# Altium PCB GE21_M1_pku_f100.PcbDoc (part 18 of 19)
Units mm, origin at the board's own origin, x right, y up, seen from the top; angles counter-clockwise.
Board outline 423.9 x 668.59 mm, 8 copper layers (Top Layer, Signal 1, DGNG1, POWER, AGND, DGND2, Signal 2, Bottom Layer), stack 1.03 mm thick; 171 components, 336 nets, 2040 pads, 4872 vias.
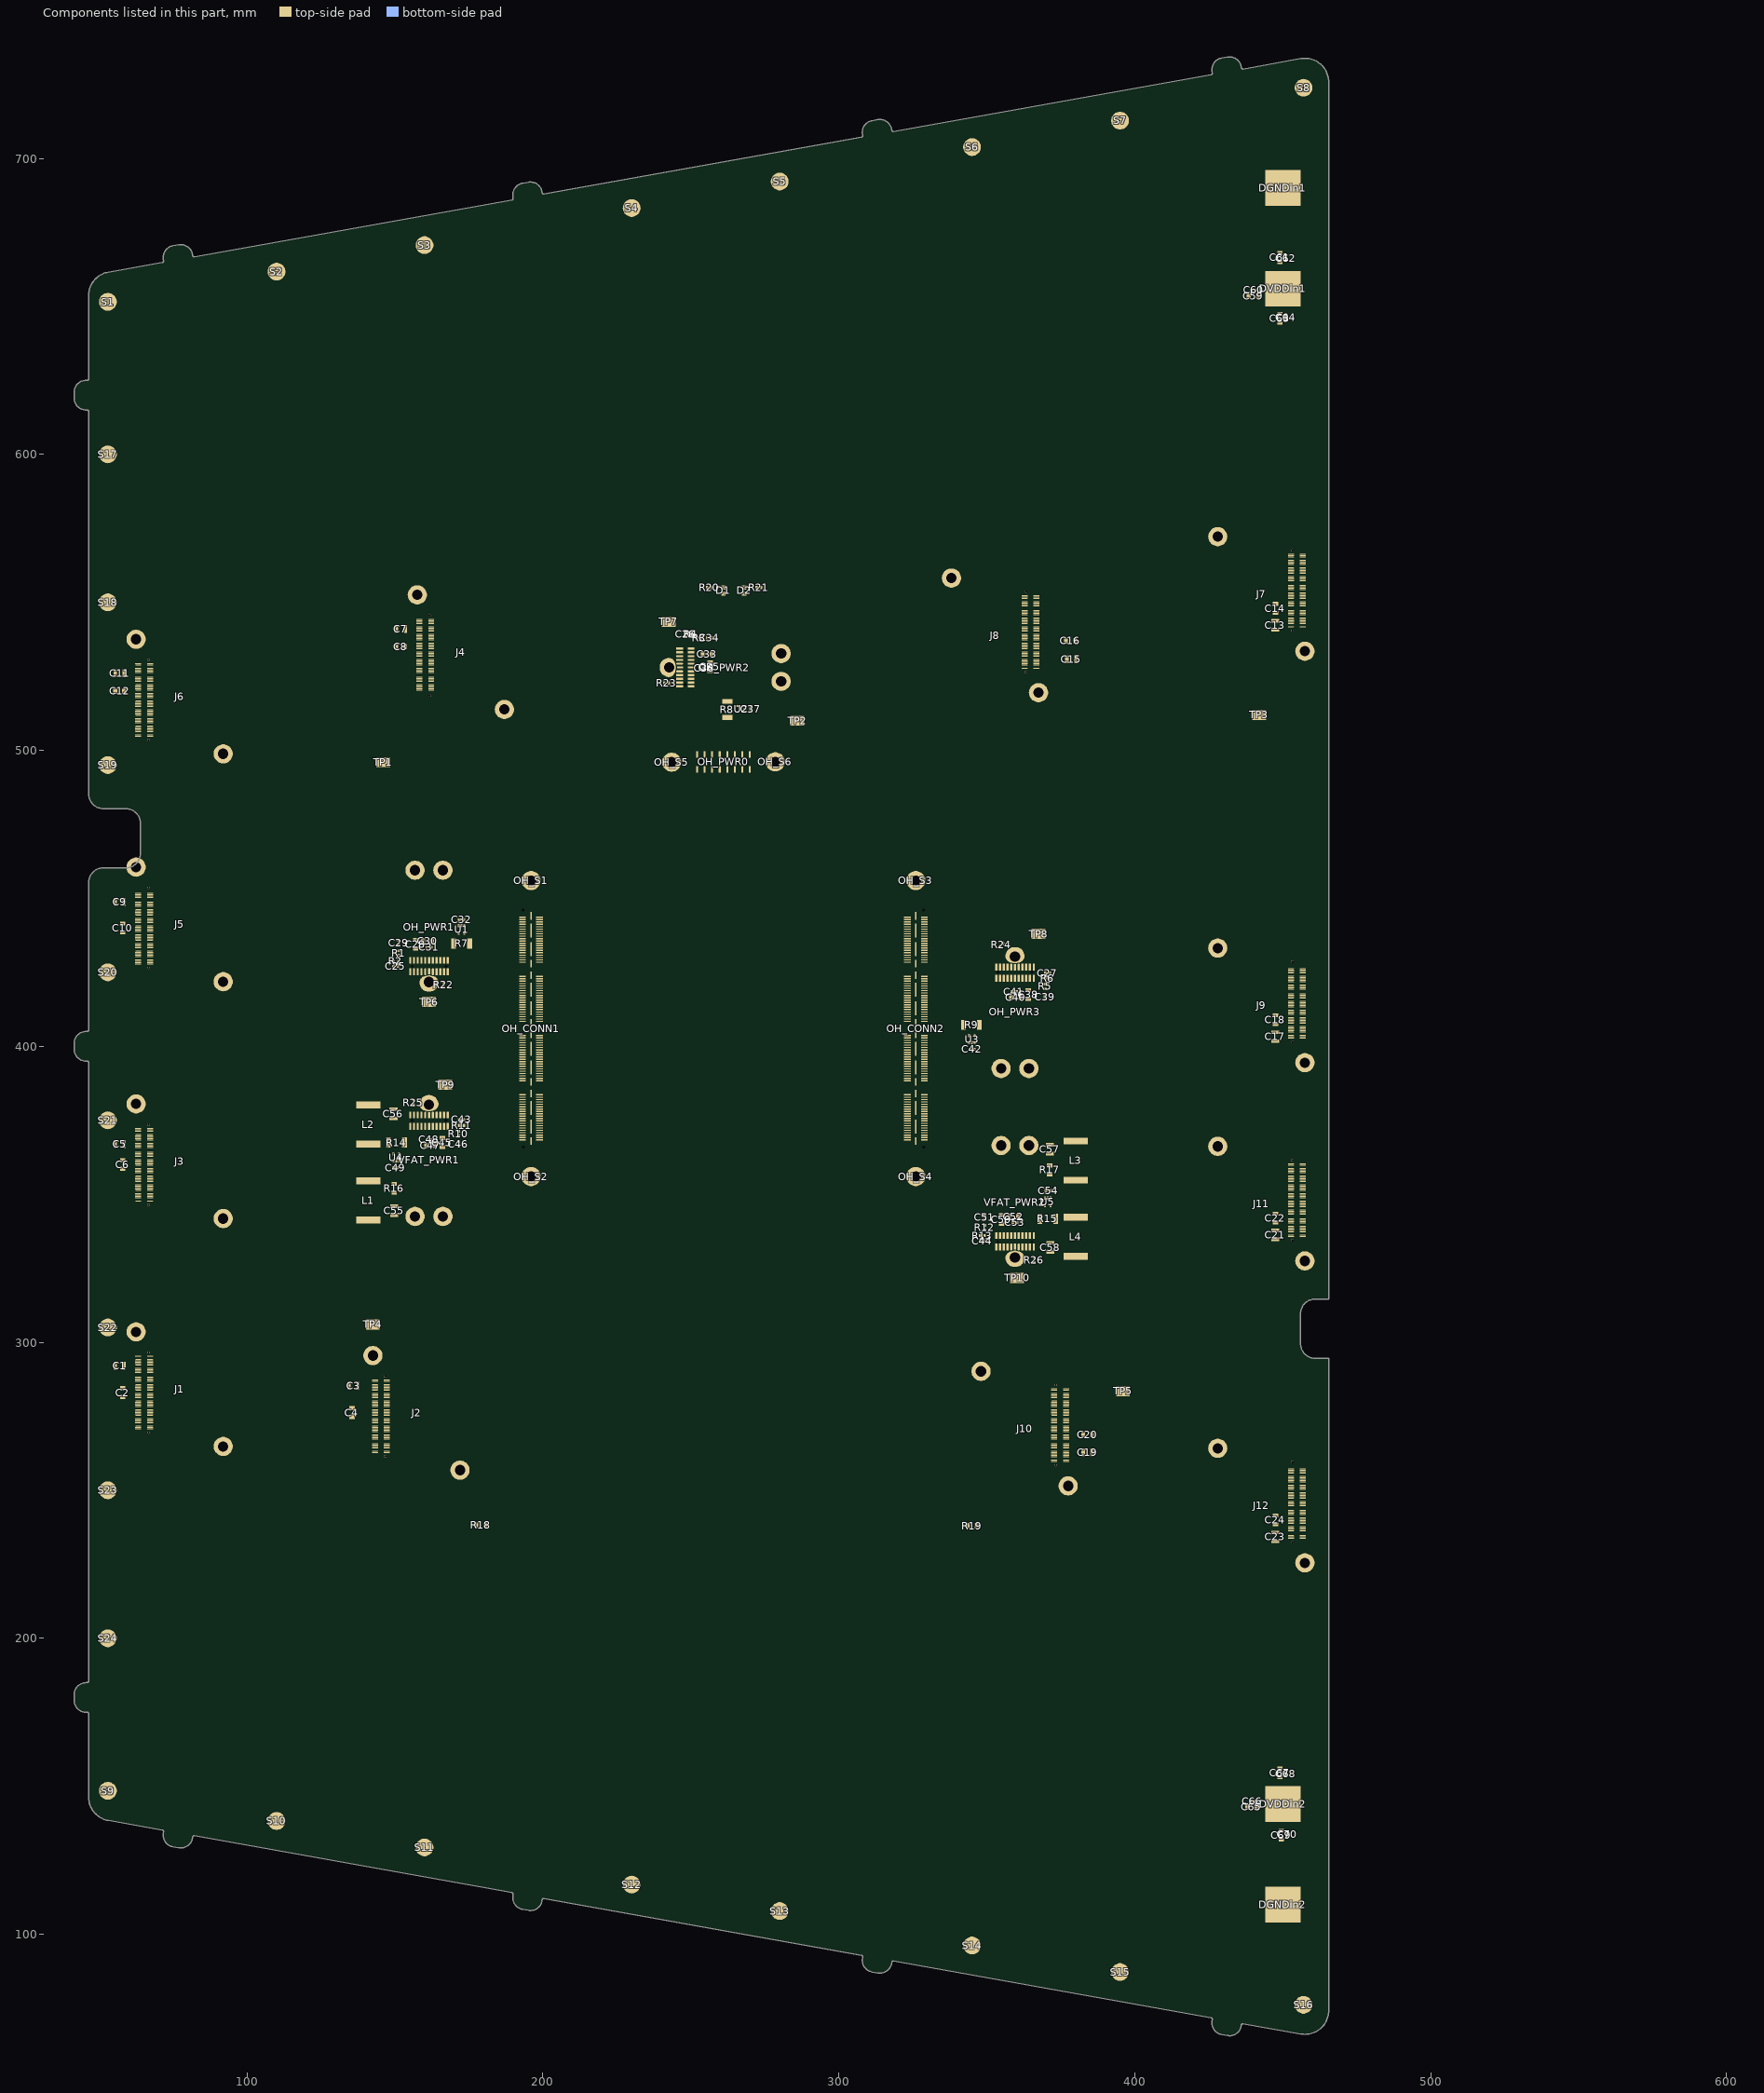
[diagram p24: the components of this part, seen from the top]

## Via types
v1: diameter 0.508, hole 0.203, Top Layer to Bottom Layer, tented both sides, 1688 vias
v2: diameter 0.402/0.402/0.402/0.201 (per signal layer), hole 0.201, Top Layer to Bottom Layer, tented both sides, 1040 vias
v3: diameter 0.507, hole 0.202, Top Layer to Bottom Layer, tented both sides, 780 vias
v4: diameter 0.4, hole 0, Top Layer to Bottom Layer, tented both sides, 438 vias
v5: diameter 0.4, hole 0.2, Top Layer to Bottom Layer, tented both sides, 288 vias
v6: diameter 0.51, hole 0.204, Top Layer to Bottom Layer, tented both sides, 288 vias
v7: diameter 0.6/0.4/0.4/0.4 (per signal layer), hole 0.3, Top Layer to Bottom Layer, tented both sides, 254 vias
v8: diameter 0.402, hole 0.201, Top Layer to Bottom Layer, tented both sides, 96 vias

## Nets (pads, with @x,y where several pads share a name; then routed paths per layer and width w, separated by ;. In a path a pad name is that pad's centre, name@x,y a point inside that pad or via, vN(x,y) a via of type N, cw(c..) or ccw(c..) an arc to the next point about the centre after c; other vN are vias at no path point) (continued)
copper on no net: (continued)
  Top Layer w0.381: 483.691,251.654 494.102,251.654 517.718,251.654 539.556,251.654 556.062,251.654 570.536,251.654 598.976,251.654 ; 483.691,254.702 494.102,254.702 517.718,254.702 539.556,254.702 556.062,254.702 570.536,254.702 598.976,254.702 ; 483.691,257.75 494.102,257.75 517.718,257.75 539.556,257.75 556.062,257.75 570.536,257.75 598.976,257.75 ; 483.691,260.798 494.102,260.798 517.718,260.798 539.556,260.798 556.062,260.798 570.536,260.798 598.976,260.798 ; 483.691,263.846 494.102,263.846 517.718,263.846 539.556,263.846 556.062,263.846 570.536,263.846 598.976,263.846 ; 483.691,266.894 494.102,266.894 517.718,266.894 539.556,266.894 556.062,266.894 570.536,266.894 598.976,266.894 ; 483.691,269.942 494.102,269.942 517.718,269.942 539.556,269.942 556.062,269.942 570.536,269.942 598.976,269.942 ; 483.691,272.99 494.102,272.99 517.718,272.99 539.556,272.99 556.062,272.99 570.536,272.99 598.976,272.99 ; 483.691,276.038 494.102,276.038 517.718,276.038 539.556,276.038 556.062,276.038 570.536,276.038 598.976,276.038 ; 483.691,279.086 494.102,279.086 517.718,279.086 539.556,279.086 556.062,279.086 570.536,279.086 598.976,279.086 ; 483.691,282.134 494.102,282.134 517.718,282.134 539.556,282.134 556.062,282.134 570.536,282.134 598.976,282.134 ; 483.691,285.182 494.102,285.182 517.718,285.182 539.556,285.182 556.062,285.182 570.536,285.182 598.976,285.182 ; 483.691,288.23 494.102,288.23 517.718,288.23 539.556,288.23 556.062,288.23 570.536,288.23 598.976,288.23 ; 483.691,291.278 494.102,291.278 517.718,291.278 539.556,291.278 556.062,291.278 570.536,291.278 598.976,291.278 ; 483.691,294.326 494.102,294.326 517.718,294.326 539.556,294.326 556.062,294.326 570.536,294.326 598.976,294.326 ; 483.691,297.374 494.102,297.374 517.718,297.374 539.556,297.374 556.062,297.374 570.536,297.374 598.976,297.374 ; 483.691,300.422 494.102,300.422 517.718,300.422 539.556,300.422 556.062,300.422 570.536,300.422 598.976,300.422 ; 483.691,303.47 494.102,303.47 517.718,303.47 539.556,303.47 556.062,303.47 570.536,303.47 598.976,303.47 ; 483.691,306.518 598.976,306.518 ; 494.102,309.566 494.102,248.606 ; 517.718,309.566 517.718,248.606 ; 539.556,309.566 539.556,248.606 ; 556.062,309.566 556.062,248.606 ; 570.536,309.566 570.536,248.606 ; 494.102,248.606 483.691,248.606 483.691,309.566 598.976,309.566 598.976,248.606 570.536,248.606 ; 494.102,248.606 517.718,248.606 ; 517.718,248.606 539.556,248.606 ; 539.556,248.606 556.062,248.606 ; 556.062,248.606 570.536,248.606 ; 483.691,95.271 483.701,95.141 483.741,94.973 483.807,94.814 483.898,94.666 484.01,94.535 484.141,94.422 484.289,94.332 484.449,94.266 484.617,94.225 484.746,94.215 484.789,94.215 484.899,94.215 484.913,94.215 484.953,94.207 484.998,94.177 485.028,94.131 485.036,94.091 485.036,94.078 485.036,86.341 485.036,86.279 485.047,86.094 485.088,85.851 485.156,85.614 485.251,85.386 485.37,85.17 485.513,84.968 485.678,84.784 485.862,84.62 486.063,84.477 486.279,84.358 486.507,84.263 486.76,84.193 486.847,84.177 491.877,83.277 491.898,83.273 491.952,83.241 491.982,83.195 491.991,83.137 491.988,83.118 491.969,83.009 491.96,82.961 491.948,82.816 491.962,82.643 492.002,82.475 492.068,82.315 492.158,82.168 492.271,82.036 492.402,81.924 492.55,81.834 492.777,81.748 492.856,81.734 493.397,81.637 493.445,81.629 493.591,81.617 493.763,81.63 493.931,81.671 494.091,81.737 494.239,81.827 494.37,81.94 494.483,82.071 494.573,82.219 494.658,82.446 494.672,82.525 494.692,82.633 494.695,82.654 494.728,82.708 494.773,82.739 494.832,82.748 494.851,82.744 524.323,77.468 524.344,77.464 524.398,77.432 524.428,77.387 524.438,77.328 524.434,77.309 524.415,77.201 524.406,77.153 524.394,77.007 524.408,76.835 524.448,76.666 524.514,76.507 524.605,76.359 524.717,76.228 524.848,76.115 524.996,76.025 525.223,75.94 525.303,75.925 525.843,75.829 525.891,75.82 526.037,75.808 526.209,75.822 526.378,75.862 526.537,75.928 526.685,76.019 526.816,76.131 526.929,76.262 527.019,76.41 527.104,76.637 527.119,76.717 527.138,76.825 527.142,76.845 527.174,76.9 527.22,76.93 527.278,76.939 527.297,76.936 556.769,71.659 556.79,71.656 556.844,71.623 556.874,71.578 556.884,71.519 556.88,71.5 556.861,71.392 556.852,71.344 556.84,71.198 556.854,71.026 556.894,70.858 556.96,70.698 557.051,70.55 557.163,70.419 557.295,70.307 557.442,70.216 557.669,70.131 557.749,70.117 558.29,70.02 558.338,70.011 558.483,69.999 558.656,70.013 558.824,70.053 558.984,70.119 559.131,70.21 559.263,70.322 559.375,70.454 559.465,70.601 559.551,70.828 559.565,70.908 559.584,71.016 559.588,71.037 559.62,71.091 559.666,71.121 559.724,71.13 559.744,71.127 589.216,65.851 589.236,65.847 589.29,65.814 589.321,65.769 589.33,65.711 589.326,65.691 589.307,65.583 589.299,65.535 589.287,65.389 589.3,65.217 589.34,65.049 589.407,64.889 589.497,64.742 589.609,64.61 589.741,64.498 589.888,64.407 590.115,64.322 590.195,64.308 590.736,64.211 590.784,64.203 590.929,64.19 591.102,64.204 591.27,64.244 591.43,64.311 591.577,64.401 591.709,64.513 591.821,64.645 591.911,64.792 591.997,65.019 592.011,65.099 592.03,65.207 592.034,65.228 592.067,65.282 592.112,65.312 592.17,65.322 592.19,65.318 597.544,64.36 597.64,64.342 597.931,64.322 598.178,64.336 598.421,64.377 598.658,64.445 598.886,64.54 599.102,64.659 599.304,64.802 599.488,64.966 599.652,65.15 599.795,65.352 599.914,65.568 600.009,65.796 600.077,66.033 600.119,66.276 600.129,66.461 600.129,66.523 600.129,127.057 598.883,127.057 598.839,127.057 598.705,127.066 598.529,127.101 598.36,127.158 598.2,127.237 598.051,127.337 597.917,127.454 597.799,127.589 597.7,127.737 597.621,127.898 597.563,128.067 597.528,128.242 597.519,128.376 597.519,128.421 597.519,131.212 597.519,131.256 597.528,131.387 597.562,131.559 597.619,131.725 597.696,131.883 597.794,132.029 597.91,132.161 598.041,132.276 598.187,132.374 598.345,132.451 598.511,132.508 598.683,132.542 598.814,132.551 598.858,132.551 600.129,132.551 600.129,245.515 600.129,245.577 600.119,245.762 600.077,246.005 600.009,246.242 599.914,246.47 599.795,246.686 599.652,246.888 599.488,247.072 599.304,247.236 599.102,247.379 598.886,247.498 598.658,247.593 598.421,247.661 598.178,247.702 597.931,247.716 597.64,247.696 597.544,247.678 592.19,246.72 592.17,246.716 592.112,246.726 592.067,246.756 592.034,246.81 592.03,246.831 592.011,246.939 591.997,247.019 591.911,247.246 591.821,247.393 591.709,247.525 591.577,247.637 591.43,247.727 591.27,247.794 591.102,247.834 590.929,247.847 590.784,247.835 590.736,247.827 590.195,247.73 590.115,247.716 589.888,247.631 589.741,247.54 589.609,247.428 589.497,247.296 589.407,247.149 589.34,246.989 589.3,246.821 589.287,246.649 589.299,246.503 589.307,246.455 589.326,246.347 589.33,246.327 589.321,246.269 589.29,246.224 589.236,246.191 589.216,246.187 559.744,240.911 559.724,240.908 559.666,240.917 559.62,240.947 559.588,241.001 559.584,241.022 559.565,241.13 559.551,241.21 559.465,241.437 559.375,241.584 559.263,241.716 559.131,241.828 558.984,241.919 558.824,241.985 558.656,242.025 558.483,242.039 558.338,242.027 558.29,242.018 557.749,241.921 557.669,241.907 557.442,241.822 557.295,241.731 557.163,241.619 557.051,241.488 556.96,241.34 556.894,241.18 556.854,241.012 556.84,240.84 556.852,240.694 556.861,240.646 556.88,240.538 556.884,240.519 556.874,240.46 556.844,240.415 556.79,240.382 556.769,240.379 527.297,235.102 527.278,235.099 527.22,235.108 527.174,235.138 527.142,235.193 527.138,235.213 527.119,235.321 527.104,235.401 527.019,235.628 526.929,235.776 526.816,235.907 526.685,236.019 526.537,236.11 526.378,236.176 526.209,236.216 526.037,236.23 525.891,236.218 525.843,236.209 525.303,236.113 525.223,236.098 524.996,236.013 524.848,235.923 524.717,235.81 524.605,235.679 524.514,235.531 524.448,235.372 524.408,235.203 524.394,235.031 524.406,234.885 524.415,234.837 524.434,234.729 524.438,234.71 524.428,234.651 524.398,234.606 524.344,234.574 524.323,234.57 494.851,229.294 494.832,229.29 494.773,229.299 494.728,229.33 494.695,229.384 494.692,229.405 494.672,229.513 494.658,229.592 494.573,229.819 494.483,229.967 494.37,230.098 494.239,230.211 494.091,230.301 493.931,230.367 493.763,230.408 493.591,230.421 493.445,230.409 493.397,230.401 492.856,230.304 492.777,230.29 492.55,230.204 492.402,230.114 492.271,230.002 492.158,229.87 492.068,229.723 492.002,229.563 491.962,229.395 491.948,229.222 491.96,229.077 491.969,229.029 491.988,228.92 491.991,228.901 491.982,228.843 491.952,228.797 491.898,228.765 491.877,228.761 486.847,227.861 486.76,227.845 486.507,227.775 486.279,227.68 486.063,227.561 485.862,227.418 485.678,227.254 485.513,227.07 485.37,226.868 485.251,226.652 485.156,226.424 485.088,226.187 485.047,225.944 485.036,225.759 485.036,225.697 485.036,217.96 485.036,217.947 485.028,217.907 484.998,217.861 484.953,217.831 484.913,217.823 484.899,217.823 484.789,217.823 484.746,217.823 484.617,217.813 484.449,217.772 484.289,217.706 484.141,217.616 484.01,217.503 483.898,217.372 483.807,217.224 483.741,217.065 483.701,216.897 483.691,216.767 483.691,216.724 483.691,216.175 483.691,216.132 483.701,216.002 483.741,215.834 483.807,215.674 483.898,215.527 484.01,215.395 484.141,215.283 484.289,215.193 484.449,215.127 484.617,215.086 484.746,215.076 484.789,215.076 484.899,215.076 484.913,215.076 484.953,215.068 484.998,215.038 485.028,214.992 485.036,214.952 485.036,214.939 485.036,179.445 485.036,179.4 485.045,179.266 485.08,179.089 485.138,178.919 485.218,178.757 485.318,178.607 485.437,178.472 485.572,178.353 485.722,178.253 485.883,178.174 486.054,178.116 486.23,178.081 486.365,178.072 486.41,178.072 488.47,178.072 488.515,178.072 488.65,178.063 488.826,178.028 488.997,177.97 489.158,177.89 489.308,177.79 489.443,177.672 489.562,177.536 489.662,177.387 489.742,177.225 489.799,177.055 489.835,176.878 489.843,176.743 489.843,176.699 489.843,173.952 489.843,173.907 489.835,173.772 489.799,173.595 489.742,173.425 489.662,173.264 489.562,173.114 489.443,172.978 489.308,172.86 489.158,172.76 488.997,172.68 488.826,172.622 488.65,172.587 488.515,172.578 488.47,172.578 486.41,172.578 486.365,172.578 486.23,172.569 486.054,172.534 485.883,172.476 485.722,172.397 485.572,172.297 485.437,172.178 485.318,172.043 485.218,171.893 485.138,171.732 485.08,171.561 485.045,171.385 485.036,171.25 485.036,171.205 485.036,157.53 485.036,157.516 485.028,157.476 484.998,157.431 484.953,157.4 484.913,157.392 484.899,157.392 484.789,157.392 484.746,157.392 484.617,157.382 484.449,157.342 484.289,157.276 484.141,157.185 484.01,157.073 483.898,156.941 483.807,156.794 483.741,156.634 483.701,156.466 483.691,156.337 483.691,156.294 483.691,155.744 483.691,155.701 483.701,155.572 483.741,155.404 483.807,155.244 483.898,155.096 484.01,154.965 484.141,154.853 484.289,154.762 484.449,154.696 484.617,154.656 484.746,154.646 484.789,154.646 484.899,154.646 484.913,154.646 484.953,154.638 484.998,154.607 485.028,154.562 485.036,154.522 485.036,154.508 485.036,97.099 485.036,97.086 485.028,97.046 484.998,97 484.953,96.97 484.913,96.962 484.899,96.962 484.789,96.962 484.746,96.962 484.617,96.952 484.449,96.911 484.289,96.845 484.141,96.755 484.01,96.643 483.898,96.511 483.807,96.364 483.741,96.204 483.701,96.036 483.691,95.906 483.691,95.863 483.691,95.314 483.691,95.271
  other v1: 462.5,422.5
  other v2: 457.462,222.43 455.937,222.839 458.987,222.839 457.462,223.33 456.287,223.445 458.637,223.445 454.821,223.955 460.103,223.955 455.6,224.405 459.324,224.405 454.412,225.48 455.112,225.48 459.812,225.48 460.512,225.48 455.6,226.555 459.324,226.555 454.821,227.005 460.103,227.005 456.287,227.515 458.637,227.515 457.462,227.63 455.937,228.121 458.987,228.121 457.462,228.53 377.462,248.43 375.937,248.839 378.987,248.839 377.462,249.33 376.287,249.445 378.637,249.445 374.821,249.955 380.103,249.955 375.6,250.405 379.324,250.405 374.412,251.48 375.112,251.48 379.812,251.48 380.512,251.48 375.6,252.555 379.324,252.555 374.821,253.005 380.103,253.005 376.287,253.515 378.637,253.515 377.462,253.63 171.978,253.76 375.937,254.121 378.987,254.121 170.453,254.169 173.503,254.169 377.462,254.53 171.978,254.66 170.803,254.775 173.153,254.775 169.337,255.285 174.619,255.285 170.116,255.735 173.84,255.735 168.928,256.81 169.628,256.81 174.328,256.81 175.028,256.81 170.116,257.885 173.84,257.885 169.337,258.335 174.619,258.335 170.803,258.845 173.153,258.845 171.978,258.96 170.453,259.451 173.503,259.451 171.978,259.86 428.022,261.14 426.497,261.549 429.547,261.549 91.978,261.76 428.022,262.04 426.847,262.155 429.197,262.155 90.453,262.169 93.503,262.169 91.978,262.66 425.381,262.665 430.663,262.665 90.803,262.775 93.153,262.775 426.16,263.115 429.884,263.115 89.337,263.285 94.619,263.285 90.116,263.735 93.84,263.735 424.972,264.19 425.672,264.19 430.372,264.19 431.072,264.19 88.928,264.81 89.628,264.81 94.328,264.81 95.028,264.81 426.16,265.265 429.884,265.265 425.381,265.715 430.663,265.715 90.116,265.885 93.84,265.885 426.847,266.225 429.197,266.225 89.337,266.335 94.619,266.335 428.022,266.34 426.497,266.831 429.547,266.831 90.803,266.845 93.153,266.845 91.978,266.96 428.022,267.24 90.453,267.451 93.503,267.451 91.978,267.86 348.022,287.14 346.497,287.549 349.547,287.549 348.022,288.04 346.847,288.155 349.197,288.155 345.381,288.665 350.663,288.665 346.16,289.115 349.884,289.115 344.972,290.19 345.672,290.19 350.372,290.19 351.072,290.19 346.16,291.265 349.884,291.265 345.381,291.715 350.663,291.715 346.847,292.225 349.197,292.225 348.022,292.34 142.538,292.47 346.497,292.831 349.547,292.831 141.013,292.879 144.063,292.879 348.022,293.24 142.538,293.37 141.363,293.485 143.713,293.485 139.897,293.995 145.179,293.995 140.676,294.445 144.4,294.445 139.488,295.52 140.188,295.52 144.888,295.52 145.588,295.52 140.676,296.595 144.4,296.595 139.897,297.045 145.179,297.045 141.363,297.555 143.713,297.555 142.538,297.67 141.013,298.161 144.063,298.161 142.538,298.57 62.538,300.47 61.013,300.879 64.063,300.879 62.538,301.37 61.363,301.485 63.713,301.485 59.897,301.995 65.179,301.995 60.676,302.445 64.4,302.445 59.488,303.52 60.188,303.52 64.888,303.52 65.588,303.52 60.676,304.595 64.4,304.595 59.897,305.045 65.179,305.045 61.363,305.555 63.713,305.555 62.538,305.67 61.013,306.161 64.063,306.161 62.538,306.57 457.462,324.43 455.937,324.839 458.987,324.839 457.462,325.33 456.287,325.445 458.637,325.445 359.5,325.66 454.821,325.955 460.103,325.955 357.975,326.069 361.025,326.069 359.5,326.36 455.6,326.405 459.324,326.405 358.425,326.848 360.575,326.848 356.859,327.185 362.141,327.185 454.412,327.48 455.112,327.48 459.812,327.48 460.512,327.48 357.465,327.535 361.535,327.535 455.6,328.555 459.324,328.555 356.45,328.71 357.35,328.71 361.65,328.71 362.55,328.71 454.821,329.005 460.103,329.005 456.287,329.515 458.637,329.515 457.462,329.63 357.465,329.885 361.535,329.885 455.937,330.121 458.987,330.121 457.462,330.53 91.978,338.76 90.453,339.169 93.503,339.169 156.8,339.46 166.2,339.46 91.978,339.66 90.803,339.775 93.153,339.775 155.275,339.869 158.325,339.869 164.675,339.869 167.725,339.869 156.8,340.16 166.2,340.16 89.337,340.285 94.619,340.285 155.725,340.648 157.875,340.648 165.125,340.648 167.275,340.648 90.116,340.735 93.84,340.735 154.159,340.985 159.441,340.985 163.559,340.985 168.841,340.985 154.765,341.335 158.835,341.335 164.165,341.335 168.235,341.335 88.928,341.81 89.628,341.81 94.328,341.81 95.028,341.81 153.75,342.51 154.65,342.51 158.95,342.51 159.85,342.51 163.15,342.51 164.05,342.51 168.35,342.51 169.25,342.51 90.116,342.885 93.84,342.885 89.337,343.335 94.619,343.335 154.765,343.685 158.835,343.685 164.165,343.685 168.235,343.685 90.803,343.845 93.153,343.845 91.978,343.96 154.159,344.035 159.441,344.035 163.559,344.035 168.841,344.035 155.725,344.372 157.875,344.372 165.125,344.372 167.275,344.372 90.453,344.451 93.503,344.451 91.978,344.86 156.8,344.86 166.2,344.86 155.275,345.151 158.325,345.151 164.675,345.151 167.725,345.151 156.8,345.56 166.2,345.56 196,352.95 326,352.95 194.475,353.359 197.525,353.359 324.475,353.359 327.525,353.359 196,353.65 326,353.65 194.925,354.138 197.075,354.138 324.925,354.138 327.075,354.138 193.359,354.475 198.641,354.475 323.359,354.475 328.641,354.475 193.965,354.825 198.035,354.825 323.965,354.825 328.035,354.825 192.95,356 193.85,356 198.15,356 199.05,356 322.95,356 323.85,356 328.15,356 329.05,356 193.965,357.175 198.035,357.175 323.965,357.175 328.035,357.175 193.359,357.525 198.641,357.525 323.359,357.525 328.641,357.525 194.925,357.862 197.075,357.862 324.925,357.862 327.075,357.862 196,358.35 326,358.35 194.475,358.641 197.525,358.641 324.475,358.641 327.525,358.641 196,359.05 326,359.05 428.022,363.14 354.8,363.44 364.2,363.44 426.497,363.549 429.547,363.549 353.275,363.849 356.325,363.849 362.675,363.849 365.725,363.849 428.022,364.04 354.8,364.14 364.2,364.14 426.847,364.155 429.197,364.155 353.725,364.628 355.875,364.628 363.125,364.628 365.275,364.628 425.381,364.665 430.663,364.665 352.159,364.965 357.441,364.965 361.559,364.965 366.841,364.965 426.16,365.115 429.884,365.115 352.765,365.315 356.835,365.315 362.165,365.315 366.235,365.315 424.972,366.19 425.672,366.19 430.372,366.19 431.072,366.19 351.75,366.49 352.65,366.49 356.95,366.49 357.85,366.49 361.15,366.49 362.05,366.49 366.35,366.49 367.25,366.49 426.16,367.265 429.884,367.265 352.765,367.665 356.835,367.665 362.165,367.665 366.235,367.665 425.381,367.715 430.663,367.715 352.159,368.015 357.441,368.015 361.559,368.015 366.841,368.015 426.847,368.225 429.197,368.225 353.725,368.352 355.875,368.352 363.125,368.352 365.275,368.352 428.022,368.34 354.8,368.84 364.2,368.84 426.497,368.831 429.547,368.831 353.275,369.131 356.325,369.131 362.675,369.131 365.725,369.131 428.022,369.24 354.8,369.54 364.2,369.54 62.538,377.47 61.013,377.879 64.063,377.879 62.538,378.37 61.363,378.485 63.713,378.485 59.897,378.995 65.179,378.995 159.465,379.115 163.535,379.115 60.676,379.445 64.4,379.445 158.45,380.29 159.35,380.29 163.65,380.29 164.55,380.29 59.488,380.52 60.188,380.52 64.888,380.52 65.588,380.52 159.465,381.465 163.535,381.465 60.676,381.595 64.4,381.595 158.859,381.815 164.141,381.815 59.897,382.045 65.179,382.045 160.425,382.152 162.575,382.152 61.363,382.555 63.713,382.555 161.5,382.64 62.538,382.67 159.975,382.931 163.025,382.931 61.013,383.161 64.063,383.161 161.5,383.34 62.538,383.57 354.8,389.46 364.2,389.46 353.275,389.869 356.325,389.869 362.675,389.869 365.725,389.869 354.8,390.16 364.2,390.16 353.725,390.648 355.875,390.648 363.125,390.648 365.275,390.648 352.159,390.985 357.441,390.985 361.559,390.985 366.841,390.985 352.765,391.335 356.835,391.335 362.165,391.335 366.235,391.335 457.462,391.43 455.937,391.839 458.987,391.839 457.462,392.33 456.287,392.445 458.637,392.445 351.75,392.51 352.65,392.51 356.95,392.51 357.85,392.51 361.15,392.51 362.05,392.51 366.35,392.51 367.25,392.51 454.821,392.955 460.103,392.955 455.6,393.405 459.324,393.405 352.765,393.685 356.835,393.685 362.165,393.685 366.235,393.685 352.159,394.035 357.441,394.035 361.559,394.035 366.841,394.035 353.725,394.372 355.875,394.372 363.125,394.372 365.275,394.372 454.412,394.48 455.112,394.48 459.812,394.48 460.512,394.48 354.8,394.86 364.2,394.86 353.275,395.151 356.325,395.151 362.675,395.151 365.725,395.151 354.8,395.56 364.2,395.56 455.6,395.555 459.324,395.555 454.821,396.005 460.103,396.005 456.287,396.515 458.637,396.515 457.462,396.63 455.937,397.121 458.987,397.121 457.462,397.53 161.5,418.66 91.978,418.76 159.975,419.069 163.025,419.069 90.453,419.169 93.503,419.169 161.5,419.36 91.978,419.66 90.803,419.775 93.153,419.775 160.425,419.848 162.575,419.848 158.859,420.185 164.141,420.185 89.337,420.285 94.619,420.285 159.465,420.535 163.535,420.535 90.116,420.735 93.84,420.735 158.45,421.71 159.35,421.71 163.65,421.71 164.55,421.71 88.928,421.81 89.628,421.81 94.328,421.81 95.028,421.81 90.116,422.885 93.84,422.885 159.465,422.885 163.535,422.885 89.337,423.335 94.619,423.335 90.803,423.845 93.153,423.845 91.978,423.96 90.453,424.451 93.503,424.451 91.978,424.86 357.465,429.115 361.535,429.115 428.022,430.14 356.45,430.29 357.35,430.29 361.65,430.29 362.55,430.29 426.497,430.549 429.547,430.549 428.022,431.04 426.847,431.155 429.197,431.155 357.465,431.465 361.535,431.465 425.381,431.665 430.663,431.665 356.859,431.815 362.141,431.815 426.16,432.115 429.884,432.115 358.425,432.152 360.575,432.152 359.5,432.64 357.975,432.931 361.025,432.931 424.972,433.19 425.672,433.19 430.372,433.19 431.072,433.19 359.5,433.34 426.16,434.265 429.884,434.265 425.381,434.715 430.663,434.715 426.847,435.225 429.197,435.225 428.022,435.34 426.497,435.831 429.547,435.831 428.022,436.24 196,452.95 326,452.95 194.475,453.359 197.525,453.359 324.475,453.359 327.525,453.359 196,453.65 326,453.65 194.925,454.138 197.075,454.138 324.925,454.138 327.075,454.138 193.359,454.475 198.641,454.475 323.359,454.475 328.641,454.475 193.965,454.825 198.035,454.825 323.965,454.825 328.035,454.825 192.95,456 193.85,456 198.15,456 199.05,456 322.95,456 323.85,456 328.15,456 329.05,456 156.8,456.44 166.2,456.44 155.275,456.849 158.325,456.849 164.675,456.849 167.725,456.849 156.8,457.14 166.2,457.14 193.965,457.175 198.035,457.175 323.965,457.175 328.035,457.175 62.538,457.47 193.359,457.525 198.641,457.525 323.359,457.525 328.641,457.525 155.725,457.628 157.875,457.628 165.125,457.628 167.275,457.628 194.925,457.862 197.075,457.862 324.925,457.862 327.075,457.862 61.013,457.879 64.063,457.879 154.159,457.965 159.441,457.965 163.559,457.965 168.841,457.965 154.765,458.315 158.835,458.315 164.165,458.315 168.235,458.315 196,458.35 326,458.35 62.538,458.37 61.363,458.485 63.713,458.485 194.475,458.641 197.525,458.641 324.475,458.641 327.525,458.641 59.897,458.995 65.179,458.995 196,459.05 326,459.05 60.676,459.445 64.4,459.445 153.75,459.49 154.65,459.49 158.95,459.49 159.85,459.49 163.15,459.49 164.05,459.49 168.35,459.49 169.25,459.49 59.488,460.52 60.188,460.52 64.888,460.52 65.588,460.52 154.765,460.665 158.835,460.665 164.165,460.665 168.235,460.665 154.159,461.015 159.441,461.015 163.559,461.015 168.841,461.015 155.725,461.352 157.875,461.352 165.125,461.352 167.275,461.352 60.676,461.595 64.4,461.595 156.8,461.84 166.2,461.84 59.897,462.045 65.179,462.045 155.275,462.131 158.325,462.131 164.675,462.131 167.725,462.131 156.8,462.54 166.2,462.54 61.363,462.555 63.713,462.555 62.538,462.67 61.013,463.161 64.063,463.161 62.538,463.57 243.5,492.95 278.5,493.05 241.975,493.359 245.025,493.359 276.975,493.459 280.025,493.459 243.5,493.65 278.5,493.75 242.425,494.138 244.575,494.138 277.425,494.238 279.575,494.238 240.859,494.475 246.141,494.475 275.859,494.575 281.141,494.575 241.465,494.825 245.535,494.825 276.465,494.925 280.535,494.925 91.978,495.76 240.45,496 241.35,496 245.65,496 246.55,496 275.45,496.1 276.35,496.1 280.65,496.1 281.55,496.1 90.453,496.169 93.503,496.169 91.978,496.66 90.803,496.775 93.153,496.775 241.465,497.175 245.535,497.175 89.337,497.285 94.619,497.285 276.465,497.275 280.535,497.275 240.859,497.525 246.141,497.525 275.859,497.625 281.141,497.625 90.116,497.735 93.84,497.735 242.425,497.862 244.575,497.862 277.425,497.962 279.575,497.962 243.5,498.35 278.5,498.45 241.975,498.641 245.025,498.641 276.975,498.741 280.025,498.741 88.928,498.81 89.628,498.81 94.328,498.81 95.028,498.81 243.5,499.05 278.5,499.15 90.116,499.885 93.84,499.885 89.337,500.335 94.619,500.335 90.803,500.845 93.153,500.845 91.978,500.96 90.453,501.451 93.503,501.451 91.978,501.86 186.978,510.76 185.453,511.169 188.503,511.169 186.978,511.66 185.803,511.775 188.153,511.775 184.337,512.285 189.619,512.285 185.116,512.735 188.84,512.735 183.928,513.81 184.628,513.81 189.328,513.81 190.028,513.81 185.116,514.885 188.84,514.885 184.337,515.335 189.619,515.335 185.803,515.845 188.153,515.845 186.978,515.96 367.462,516.43 185.453,516.451 188.503,516.451 365.937,516.839 368.987,516.839 186.978,516.86 367.462,517.33 366.287,517.445 368.637,517.445 364.821,517.955 370.103,517.955 365.6,518.405 369.324,518.405 364.412,519.48 365.112,519.48 369.812,519.48 370.512,519.48 280.49,520.25 365.6,520.555 369.324,520.555 278.965,520.659 282.015,520.659 364.821,521.005 370.103,521.005 280.49,521.15 279.315,521.265 281.665,521.265 366.287,521.515 368.637,521.515 367.462,521.63 277.849,521.775 283.131,521.775 365.937,522.121 368.987,522.121 278.628,522.225 282.352,522.225 367.462,522.53 277.44,523.3 278.14,523.3 282.84,523.3 283.54,523.3 278.628,524.375 282.352,524.375 277.849,524.825 283.131,524.825 242.71,524.95 279.315,525.335 281.665,525.335 241.185,525.359 280.49,525.45 242.71,525.85 278.965,525.941 282.015,525.941 241.535,525.965 243.885,525.965 280.49,526.35 240.069,526.475 240.848,526.925 239.66,528 240.36,528 240.848,529.075 240.069,529.525 280.49,529.65 241.535,530.035 243.885,530.035 278.965,530.059 282.015,530.059 242.71,530.15 457.462,530.43 280.49,530.55 241.185,530.641 279.315,530.665 281.665,530.665 455.937,530.839 458.987,530.839 242.71,531.05 277.849,531.175 283.131,531.175 457.462,531.33 456.287,531.445 458.637,531.445 278.628,531.625 282.352,531.625 454.821,531.955 460.103,531.955 455.6,532.405 459.324,532.405 277.44,532.7 278.14,532.7 282.84,532.7 283.54,532.7 454.412,533.48 455.112,533.48 459.812,533.48 460.512,533.48 278.628,533.775 282.352,533.775 277.849,534.225 283.131,534.225 62.538,534.47 455.6,534.555 459.324,534.555 279.315,534.735 281.665,534.735 280.49,534.85 61.013,534.879 64.063,534.879 454.821,535.005 460.103,535.005 278.965,535.341 282.015,535.341 62.538,535.37 61.363,535.485 63.713,535.485 456.287,535.515 458.637,535.515 457.462,535.63 280.49,535.75 59.897,535.995 65.179,535.995 455.937,536.121 458.987,536.121 60.676,536.445 64.4,536.445 457.462,536.53 59.488,537.52 60.188,537.52 64.888,537.52 65.588,537.52 60.676,538.595 64.4,538.595 59.897,539.045 65.179,539.045 61.363,539.555 63.713,539.555 62.538,539.67 61.013,540.161 64.063,540.161 62.538,540.57 157.538,549.47 156.013,549.879 159.063,549.879 157.538,550.37 156.363,550.485 158.713,550.485 154.897,550.995 160.179,550.995 155.676,551.445 159.4,551.445 154.488,552.52 155.188,552.52 159.888,552.52 160.588,552.52 155.676,553.595 159.4,553.595 154.897,554.045 160.179,554.045 156.363,554.555 158.713,554.555 157.538,554.67 338.022,555.14 156.013,555.161 159.063,555.161 336.497,555.549 339.547,555.549 157.538,555.57 338.022,556.04 336.847,556.155 339.197,556.155 335.381,556.665 340.663,556.665 336.16,557.115 339.884,557.115 334.972,558.19 335.672,558.19 340.372,558.19 341.072,558.19 336.16,559.265 339.884,559.265 335.381,559.715 340.663,559.715 336.847,560.225 339.197,560.225 338.022,560.34 336.497,560.831 339.547,560.831 338.022,561.24 428.022,569.14 426.497,569.549 429.547,569.549 428.022,570.04 426.847,570.155 429.197,570.155 425.381,570.665 430.663,570.665 426.16,571.115 429.884,571.115 424.972,572.19 425.672,572.19 430.372,572.19 431.072,572.19 426.16,573.265 429.884,573.265 425.381,573.715 430.663,573.715 426.847,574.225 429.197,574.225 428.022,574.34 426.497,574.831 429.547,574.831 428.022,575.24

## Polygon pours and split planes (outlines as drawn)
DGND on Top Layer "Top Layer-DGND" (solid, remove dead copper, pour order 492): 465.5,62.888 41.5,62.888 41.5,731.888 465.5,731.888
1V2DVFAT1 on Top Layer "Top Layer-1V2DVFAT1" (solid, remove dead copper, pour order 484): 144.25,280.75 144.25,275.25 139.75,275.25 137.75,277.25 133.25,277.25 132.5,278 132.5,282 133,282.5 136,282.5 136.5,282 136.5,281.5 137.25,280.75
OH1V8 on Top Layer "Top Layer-OH1V8 1" (solid, pour order 374): 244.6,527.1 242.75,525.25 242.75,522.25 244.5,520.5 258.25,520.5 258.25,526.75 257.75,527.25 253.5,527.25 253.35,527.1
DVDD on Top Layer "Top Layer-DVDD 3" (solid, pour order 368): 243.7,533.45 243.5,533.25 243.5,533 245.05,531.45 254.45,531.45 255.25,532.25 255.25,538.5 253,538.5 253,535 251.45,533.45
OH1V5 on Top Layer "Top Layer-NetC30_1" (solid, pour order 312): 18 vertices, not listed, extent 162,421.75 171.9,438.1
DVDD on Top Layer "Top Layer-DVDD 2" (solid, pour order 290): 156.05,422.7 156.25,422.5 156.5,422.5 158.05,424.05 158.05,433.45 157.25,434.25 151,434.25 150.75,434 150.75,431.8 154.7,431.8 156.05,430.45
VFAT2 on Top Layer "Top Layer-NetC52_1" (solid, pour order 280): 360.4,330.35 362.5,328.25 365.75,328.25 367.5,330 367.5,338 369.5,340 369.5,342.45 366.95,345 361.25,345 359.8,343.55 359.8,339.95 360.4,339.35
DVDD on Top Layer "Top Layer-DVDD 1" (solid, pour order 276): 348.75,341.25 348.75,339 352.5,339 354.05,337.45 354.05,329.7 354.25,329.5 354.5,329.5 356.05,331.05 356.05,340.7 355.5,341.25
VFAT1 on Top Layer "Top Layer-NetC47_1" (solid, pour order 228): 160.6,379 159.6,380 155.7,380 153.5,377.8 153.5,370.75 151.5,368.75 151.5,367 154.25,364.25 160.15,364.25 161,365.1 161,369.25 160.6,369.65
DVDD on Top Layer "Top Layer-DVDD" (solid, pour order 222): 166.95,371.55 168.25,370.25 172,370.25 172,368.25 171.5,367.75 165.75,367.75 164.95,368.55 164.95,377.95 166.5,379.5 166.75,379.5 166.95,379.3
PWR1V5 on Top Layer "Top Layer-PWR1V5 2" (solid, remove dead copper, pour order 490): 258,502 253.5,502 253.5,490 258,490
PWR1V8 on Top Layer "Top Layer-PWR1V8 2" (solid, remove dead copper, pour order 488): 263.5,502 263.5,490 261,490 261,502
PWR2V5 on Top Layer "Top Layer-PWR2V5 2" (solid, remove dead copper, pour order 486): 266.25,502 269,502 269,490 266.25,490
PWR1V5 on Top Layer "Top Layer-PWR1V5" (solid, pour order 422): 175.75,437.75 179.25,437.75 179.75,437.25 179.75,430.5 179.25,430 174.25,430 173.5,430.75 173.5,435.5
VFATAGND2 on Top Layer "Top Layer-VFATAGND1 3" (solid, pour order 474): 457.75,251.75 455.75,251.75 455.75,246.25 457.75,246.25
1V2DVFAT1 on Top Layer "Top Layer-1V2DVFAT1 4" (solid, pour order 470): 108.5,336 107.5,335 107.5,316.5 108.5,315.5 114,315.5 115,316.5 115,335 114,336
1V2DVFAT1 on Top Layer "Top Layer-1V2DVFAT1 5" (solid, pour order 468): 94,360.75 94.5,360.25 114,360.25 114.5,360.75 114.5,365 114,365.5 96,365.5 94,363.5
1V2DVFAT1 on Top Layer "Top Layer-1V2DVFAT1 6" (solid, pour order 466): 94.25,440.75 94.75,440.25 114,440.25 114.5,440.75 114.5,445 114,445.5 95.75,445.5 94.25,444
OH2V5 on Top Layer "Top Layer-VFAT1" (solid, pour order 464): 345.6,403.975 345.6,405.175 346.8,406.375 347.4,405.775 346.2,404.575 346.2,403.975
1V2DVFAT2 on Top Layer "Top Layer-VFATAGND1 3" (solid, pour order 452): 457.75,245.75 455.75,245.75 455.75,240.25 457.75,240.25
1V2AVFAT2 on Top Layer "Top Layer-DGND 8" (solid, pour order 450): 455.75,233.75 457.75,233.75 457.75,239.75 455.75,239.75
1V2DVFAT2 on Top Layer "Top Layer-VFATAGND1 3" (solid, pour order 448): 457.75,347.75 455.75,347.75 455.75,342.25 457.75,342.25
1V2AVFAT2 on Top Layer "Top Layer-DGND 8" (solid, pour order 446): 455.75,335.75 457.75,335.75 457.75,341.75 455.75,341.75
1V2DVFAT2 on Top Layer "Top Layer-VFATAGND1 3" (solid, pour order 444): 457.75,414.75 455.75,414.75 455.75,409.25 457.75,409.25
1V2AVFAT2 on Top Layer "Top Layer-DGND 8" (solid, pour order 442): 455.75,402.75 457.75,402.75 457.75,408.75 455.75,408.75
1V2AVFAT2 on Top Layer "Top Layer-DGND 8" (solid, pour order 440): 455.75,541.75 457.75,541.75 457.75,547.75 455.75,547.75
1V2DVFAT2 on Top Layer "Top Layer-VFATAGND1 3" (solid, pour order 438): 457.75,553.75 455.75,553.75 455.75,548.25 457.75,548.25
1V2DVFAT1 on Top Layer "Top Layer-1V2DVFAT1 3" (solid, pour order 436): 92.5,522 93.5,523 114,523 115,522 115,518.25 113.75,517 93.75,517 92.5,518.25
PWR2V5 on Top Layer "Top Layer-PWR2V5" (solid, pour order 434): 325.5,405 326.5,405 326.5,387 325.5,387
PWR1V8 on Top Layer "Top Layer-PWR1V8" (solid, pour order 432): 325.5,445 326.5,445 326.5,427 325.5,427
PWR1V8 on Top Layer "Top Layer-1V2VFAT2 1" (solid, pour order 430): 266,513.35 264.625,513.35 263.625,512.35 264.225,511.75 265.225,512.75 266,512.75
PWR1V8 on Top Layer "Top Layer-PWR1V8 1" (solid, pour order 428): 265.25,510.9 265.25,507.5 264.75,507 260.5,507 259.75,507.75 259.75,512.35 260.15,512.75 263.4,512.75
PWR2V5 on Top Layer "Top Layer-1V2VFAT2 1" (solid, pour order 426): 344.3,403.55 344.3,404.925 343.3,405.925 342.7,405.325 343.7,404.325 343.7,403.55
PWR2V5 on Top Layer "Top Layer-PWR2V5 1" (solid, pour order 424): 341.3,403.75 338.25,403.75 337.75,404.25 337.75,406.45 341.8,410.5 343.5,410.5 343.95,410.05 343.95,406.4
PWR1V5 on Top Layer "Top Layer-1V2VFAT2 1" (solid, pour order 420): 173.15,438.35 173.15,436.975 174.15,435.975 174.75,436.575 173.75,437.575 173.75,438.35
PWR1V5 on Top Layer "Top Layer-PWR1V5 1" (solid, pour order 418): 195.5,445 196.5,445 196.5,427 195.5,427
1V2VFAT1 on Top Layer "Top Layer-1V2VFAT2 1" (solid, pour order 416): 149.8,363.9 149.8,365.275 148.8,366.275 148.2,365.675 149.2,364.675 149.2,363.9
VFAT1 on Top Layer "Top Layer-VFAT1" (solid, pour order 404): 151.1,364 151.1,365.2 152.3,366.4 152.9,365.8 151.7,364.6 151.7,364
1V2VFAT2 on Top Layer "Top Layer-1V2VFAT2 1" (solid, pour order 402): 371.2,345.85 371.2,343.95 372.2,342.95 372.8,343.55 371.8,344.55 371.8,345.85
VFAT2 on Top Layer "Top Layer-VFAT2" (solid, pour order 400): 369.9,345.85 369.9,343.85 369,342.95 368.4,343.55 369.3,344.45 369.3,345.85
OH1V8 on Top Layer "Top Layer-OH1V8" (solid, pour order 398): 262.9,514.8 263.5,515.4 264.2,514.7 265.5,514.7 265.5,515.2 264.7,515.2 264,515.9 264.7,516.6 264.7,517.9 263.1,519.5 259.4,519.5 257.7,521.2 244.5,521.2 244.5,515.3 245,514.8
1V2VFAT2 on Top Layer "Top Layer-1V2VFAT2" (solid, pour order 288): 372.75,339.25 383.5,339.25 385,340.75 385,356.25 384,357.25 376,357.25 375.25,356.5 375.25,345 374.25,345 371.5,342.25 371.5,340.5
1V2VFAT1 on Top Layer "Top Layer-1V2VFAT1" (solid, pour order 230): 149.5,369.785 148.785,370.5 137.5,370.5 136,369 136,352.75 136.75,352 145,352 145.5,352.5 145.5,363.5 145.75,363.75 146.775,363.75 149.5,366.475
1V2AVFAT1 on Top Layer "Top Layer-1V2AVFAT1 2" (solid, pour order 388): 152,334.25 151.5,333.75 136.75,333.75 136.25,334.25 136.25,343 137.25,344 150.75,344 152,342.75
1V2DVFAT1 on Top Layer "Top Layer-1V2DVFAT1 2" (solid, pour order 386): 152,378.75 150.75,377.5 136.75,377.5 136.25,378 136.25,387.25 136.75,387.75 151.529,387.75 152,387.279
VFATAGND1 on Top Layer "Top Layer-VFATAGND1 4" (solid, pour order 384): 147.25,351.25 145.75,349.75 145.75,347 147.5,345.25 152.25,345.25 153.75,346.75 153.75,350 152.5,351.25
VFATAGND2 on Top Layer "Top Layer-VFATAGND2 2" (solid, pour order 382): 368.75,364.75 367.25,363.25 367.25,360.5 368.75,359 374,359 375.25,360.25 375.25,363.5 374,364.75
1V2AVFAT2 on Top Layer "Top Layer-1V2AVFAT2 6" (solid, pour order 380): 385.25,366.75 384.25,365.75 370.25,365.75 369.5,366.5 369.5,369.5 374.5,374.5 384.5,374.5 385.25,373.75
1V2DVFAT2 on Top Layer "Top Layer-1V2DVFAT2 2" (solid, pour order 378): 385.5,330.5 384.5,331.5 370.25,331.5 369.5,330.75 369.5,324.75 372.75,321.5 385,321.5 385.5,322
OH2V5 on Top Layer "Top Layer-OH2V5" (solid, pour order 366): 353.97,433.72 354.53,433.72 358.6,429.65 358.6,419.65 358.75,419.5 358.75,406.25 357,404.5 348,404.5 346,406.5 346,409.5 351.5,415 351.5,431.25
DVDD on Top Layer "Top Layer-DVDD 4" (solid, pour order 362): 364.5,429.75 362.95,428.2 362.95,418.3 363.5,417.75 370.25,417.75 370.25,420 366.5,420 364.95,421.55 364.95,429.55 364.75,429.75
VFATAGND2 on Top Layer "Top Layer-VFATAGND1 3" (solid, pour order 356): 457.75,353.75 455.75,353.75 455.75,348.25 457.75,348.25
VFATAGND2 on Top Layer "Top Layer-VFATAGND1 3" (solid, pour order 352): 457.75,420.75 455.75,420.75 455.75,415.25 457.75,415.25
VFATAGND2 on Top Layer "Top Layer-VFATAGND1 3" (solid, pour order 350): 457.75,559.75 455.75,559.75 455.75,554.25 457.75,554.25
1V2DVFAT1 on Top Layer "Top Layer-1V2DVFAT1 1" (solid, pour order 346): 159.25,537.75 157.25,537.75 157.25,535.75 157,535.5 154,535.5 154,534.5 157,534.5 157.25,534.25 157.25,532.25 159.25,532.25
1V2AVFAT1 on Top Layer "Top Layer-1V2AVFAT1 1" (solid, pour order 344): 159.25,544.25 157.25,544.25 157.25,541.75 157,541.5 153.75,541.5 153.75,540.5 157,540.5 157.25,540.25 157.25,538.25 159.25,538.25
1V2AVFAT1 on Top Layer "Top Layer-1V2AVFAT1 1" (solid, pour order 342): 64.25,529.25 62.25,529.25 62.25,526.75 62,526.5 58.75,526.5 58.75,525.5 62,525.5 62.25,525.25 62.25,523.25 64.25,523.25
1V2DVFAT1 on Top Layer "Top Layer-1V2DVFAT1 1" (solid, pour order 340): 64.25,522.75 62.25,522.75 62.25,520.75 62,520.5 59,520.5 59,519.5 62,519.5 62.25,519.25 62.25,517.25 64.25,517.25
VFATAGND1 on Top Layer "Top Layer-VFATAGND1 3" (solid, pour order 336): 62.25,434.25 64.25,434.25 64.25,439.75 62.25,439.75
1V2DVFAT1 on Top Layer "Top Layer-1V2DVFAT1 1" (solid, pour order 334): 64.25,445.75 62.25,445.75 62.25,442.25 62,442 58.5,442 58.5,441 62,441 62.25,440.75 62.25,440.25 64.25,440.25
1V2AVFAT1 on Top Layer "Top Layer-1V2AVFAT1 1" (solid, pour order 332): 64.25,452.25 62.25,452.25 62.25,449.75 62,449.5 58.75,449.5 58.75,448.5 62,448.5 62.25,448.25 62.25,446.25 64.25,446.25
VFATAGND1 on Top Layer "Top Layer-VFATAGND1 3" (solid, pour order 328): 62.25,354.25 64.25,354.25 64.25,359.75 62.25,359.75
1V2DVFAT1 on Top Layer "Top Layer-1V2DVFAT1 1" (solid, pour order 326): 64.25,365.75 62.25,365.75 62.25,362.25 62,362 58.5,362 58.5,361 62,361 62.25,360.75 62.25,360.25 64.25,360.25
1V2AVFAT1 on Top Layer "Top Layer-1V2AVFAT1 1" (solid, pour order 324): 64.25,372.25 62.25,372.25 62.25,367.75 62,367.5 58.75,367.5 58.75,366.5 62,366.5 62.25,366.25 64.25,366.25
1V2AVFAT1 on Top Layer "Top Layer-1V2AVFAT1 1" (solid, pour order 322): 64.25,295.25 62.25,295.25 62.25,292.75 62,292.5 58.75,292.5 58.75,291.5 62,291.5 62.25,291.25 62.25,289.25 64.25,289.25
1V2DVFAT1 on Top Layer "Top Layer-1V2DVFAT1 1" (solid, pour order 320): 64.25,288.75 62.25,288.75 62.25,285.25 62,285 58.5,285 58.5,284 62,284 62.25,283.75 62.25,283.25 64.25,283.25
VFATAGND1 on Top Layer "Top Layer-VFATAGND1 3" (solid, pour order 318): 62.25,277.25 64.25,277.25 64.25,282.75 62.25,282.75
1V2AVFAT2 on Top Layer "Top Layer-1V2AVFAT2 5" (solid, pour order 310): 375.75,259.75 375.75,265.75 377.75,265.75 377.75,263.5 378,263.25 382.25,263.25 382.25,262.25 378,262.25 377.75,262 377.75,259.75
1V2DVFAT2 on Top Layer "Top Layer-1V2DVFAT2 1" (solid, pour order 308): 375.75,266.25 375.75,271.75 377.75,271.75 377.75,269.5 378,269.25 382.25,269.25 382.25,268.25 378,268.25 377.75,268 377.75,266.25
1V2AVFAT2 on Top Layer "Top Layer-1V2AVFAT2 3" (solid, pour order 306): 408.5,325 407.5,324 407.5,308.5 408.5,307.5 414,307.5 415,308.5 415,324 414,325
1V2AVFAT2 on Top Layer "Top Layer-1V2AVFAT2 4" (solid, pour order 304): 410.5,341.5 411,342 426.5,342 427,341.5 427,336 426.5,335.5 411,335.5 410.5,336
1V2AVFAT2 on Top Layer "Top Layer-1V2AVFAT2 1" (solid, pour order 302): 410.5,408.5 411,409 426.5,409 427,408.5 427,403 426.5,402.5 411,402.5 410.5,403
1V2AVFAT2 on Top Layer "Top Layer-1V2AVFAT2 2" (solid, pour order 300): 410.5,511.5 411,512 414.5,512 415.5,511 429,511 429.5,510.5 429.5,507 429,506.5 415.5,506.5 414.5,505.5 411,505.5 410.5,506
VFATAGND2 on Top Layer "Top Layer-VFATAGND2 1" (solid, pour order 274): 375.9,277.85 375.75,277.7 375.75,272.3 375.9,272.15 386.9,272.15 387.25,272.5 387.25,277.5 386.9,277.85
1V2AVFAT2 on Top Layer "Top Layer-1V2AVFAT2" (solid, pour order 270): 365.875,533.85 365.75,533.725 365.75,527.75 375.75,527.75 377.25,529.25 377.25,532.5 375.9,533.85
1V2DVFAT2 on Top Layer "Top Layer-1V2DVFAT2" (solid, pour order 268): 365.875,539.85 365.75,539.725 365.75,534.3 365.9,534.15 375.9,534.15 377.25,535.5 377.25,538.5 375.9,539.85
VFATAGND2 on Top Layer "Top Layer-VFATAGND2" (solid, pour order 266): 365.9,545.85 365.75,545.7 365.75,540.275 365.875,540.15 375.9,540.15 376.25,540.5 376.25,545.5 375.9,545.85
VFATAGND1 on Top Layer "Top Layer-VFATAGND1 1" (solid, pour order 260): 144.125,274.85 144.25,274.725 144.25,269.275 144.125,269.15 133.35,269.15 132.75,269.75 132.75,272.75 133.25,273.25 137.25,273.25 138.85,274.85
1V2AVFAT1 on Top Layer "Top Layer-1V2AVFAT1" (solid, pour order 256): 138.025,281.15 137.5,281.675 137.5,286.5 139.5,288.5 143,288.5 144.25,287.25 144.25,281.3 144.1,281.15
VFATAGND1 on Top Layer "Top Layer-VFATAGND1 2" (solid, pour order 248): 147.5,526.6 147.95,526.15 159.2,526.15 159.25,526.2 159.25,531.7 159.1,531.85 147.95,531.85 147.5,531.4
VFATAGND1 on Top Layer "Top Layer-VFATAGND1" (solid, pour order 240): 53.35,511.15 64.1,511.15 64.25,511.3 64.25,516.7 64.1,516.85 53.35,516.85 52.5,516 52.5,512
SHIELD_NET on Bottom Layer "Bottom Layer-SHIELD_NET" (solid, remove dead copper, pour order 496): 465.5,734.75 46.5,659.75 46.5,140.25 465.5,65.25
DGND on Signal 1 "Signal 1-DGND" (solid, remove dead copper, pour order 498): 464.627,66 40.627,66 40.627,735 464.627,735
DGND on Signal 2 "Signal 2-DGND" (solid, remove dead copper, pour order 500): 465.5,734.5 465.5,65.5 41.5,65.5 41.5,734.5
DGND on DGNG1 (split plane): 1371 vertices, not listed, extent 42.11,66.21 464.99,733.79
no net on POWER (split plane): 83 vertices, not listed, extent 42.11,174.192 47.808,185.808
no net on POWER (split plane): 91 vertices, not listed, extent 70.192,129.651 82.808,136.808
1V2DVFAT1 on POWER (split plane): 29 vertices, not listed, extent 61.692,277.192 138.808,322.308
1V2DVFAT1 on POWER (split plane): 99.808,360.192 61.692,360.192 61.692,365.808 99.808,365.808
1V2DVFAT1 on POWER (split plane): 67 vertices, not listed, extent 107.692,330.192 159.808,553.308
1V2VFAT1 on POWER (split plane): 20 vertices, not listed, extent 135.192,352.192 150.308,370.308
DVDD on POWER (split plane): 629 vertices, not listed, extent 47.01,66.684 464.99,733.316
1V2AVFAT1 on POWER (split plane): 146 vertices, not listed, extent 61.692,281.192 159.808,559.808
no net on POWER (split plane): 83 vertices, not listed, extent 42.11,394.192 47.808,405.808
1V2DVFAT1 on POWER (split plane): 99.808,445.808 99.808,440.192 61.692,440.192 61.692,445.808
no net on POWER (split plane): 83 vertices, not listed, extent 42.11,614.192 47.808,625.808
no net on POWER (split plane): 91 vertices, not listed, extent 70.192,663.192 82.808,670.349
VFAT1 on POWER (split plane): 160.308,377.67 160.308,365.33 159.17,364.192 151.58,364.192 150.692,365.08 150.692,370.42 153.636,373.364 153.666,373.404 153.686,373.45 153.692,373.5 153.692,377.67 154.33,378.308 159.67,378.308
OH1V5 on POWER (split plane): 172.308,426.83 169.67,424.192 162.192,424.192 162.192,437.808 172.308,437.808
1V2DVFAT1 on POWER (split plane): 99.808,522.808 99.808,517.192 61.692,517.192 61.692,522.808
PWR1V5 on POWER (split plane): 36 vertices, not listed, extent 172.692,426.942 258.058,501.808
no net on POWER (split plane): 89 vertices, not listed, extent 188.192,684.192 200.808,691.496
no net on POWER (split plane): 91 vertices, not listed, extent 188.192,108.504 200.808,115.808
no net on POWER (split plane): 90 vertices, not listed, extent 306.192,87.357 318.808,94.808
VFAT2 on POWER (split plane): 370.558,344.42 370.558,340.58 367.614,337.636 367.584,337.596 367.564,337.55 367.558,337.5 367.558,331.442 360.442,331.442 360.442,344.42 361.08,345.058 369.92,345.058
1V2AVFAT2 on POWER (split plane): 58 vertices, not listed, extent 373.692,320.192 414.808,533.808
1V2AVFAT2 on POWER (split plane): 52 vertices, not listed, extent 371.692,233.692 458.308,312.308
no net on POWER (split plane): 91 vertices, not listed, extent 424.192,66.21 436.808,73.808
1V2DVFAT2 on POWER (split plane): 142 vertices, not listed, extent 371.692,240.192 458.308,553.808
1V2AVFAT2 on POWER (split plane): 458.308,341.808 458.308,335.692 422.692,335.692 422.692,341.808
PWR1V8 on POWER (split plane): 36 vertices, not listed, extent 258.442,426.942 332.308,513.308
PWR2V5 on POWER (split plane): 44 vertices, not listed, extent 266.192,386.942 344.808,501.808
OH1V8 on POWER (split plane): 265.808,513.692 258.33,513.692 254.886,517.136 254.846,517.166 254.827,517.174 254.8,517.186 254.75,517.192 245.192,517.192 245.192,527.308 265.808,527.308
no net on POWER (split plane): 91 vertices, not listed, extent 306.192,705.192 318.808,712.643
1V2VFAT2 on POWER (split plane): 24 vertices, not listed, extent 370.942,338.942 385.558,357.808
1V2AVFAT2 on POWER (split plane): 458.308,408.808 458.308,402.692 422.692,402.692 422.692,408.808
OH2V5 on POWER (split plane): 358.808,404.442 345.192,404.442 345.192,427.808 358.808,427.808
1V2AVFAT2 on POWER (split plane): 458.308,547.808 458.308,541.692 429.25,541.692 429.2,541.686 429.154,541.666 429.114,541.636 429.084,541.596 429.064,541.55 429.058,541.5 429.058,506.192 422.692,506.192 422.692,547.808
no net on POWER (split plane): 90 vertices, not listed, extent 424.192,726.192 436.808,733.79
DGND on AGND (split plane): 1371 vertices, not listed, extent 42.11,66.21 464.99,733.79
VFATAGND2 on AGND (split plane): 21 vertices, not listed, extent 345.192,190.192 460.808,609.808
VFATAGND1 on AGND (split plane): 98 vertices, not listed, extent 51.692,215.192 178.808,584.808
DGND on DGND2 (split plane): 1371 vertices, not listed, extent 42.11,66.21 464.99,733.79

## Keep-outs
Keep-Out Layer:
  lines w0.013: 429.335,733.879 ccw(c430.04,729.941) 426.103,729.236 426.173,728.843 cw(c425.681,728.755) 425.769,728.262 318.475,709.054 cw(c318.387,709.546) 317.895,709.458 317.824,709.852 ccw(c313.887,709.147) 313.182,713.084 311.213,712.732 ccw(c311.918,708.794) 307.981,708.089 308.051,707.696 cw(c307.559,707.607) 307.647,707.115 200.353,687.907 cw(c200.265,688.399) 199.773,688.311 199.702,688.705 ccw(c195.765,688) 195.06,691.937 193.091,691.585 ccw(c193.796,687.647) 189.859,686.942 189.929,686.549 cw(c189.437,686.46) 189.525,685.968 82.231,666.76 cw(c82.143,667.252) 81.651,667.164 81.58,667.557 ccw(c77.643,666.853) 76.938,670.79 74.969,670.437 ccw(c75.674,666.5) 71.737,665.795 71.807,665.401 cw(c71.315,665.313) 71.403,664.821 53.09,661.543 ccw(c54.5,653.668) 46.5,653.668 46.5,625.5 cw(c46,625.5) 46,625 45.6,625 ccw(c45.6,621) 41.6,621 41.6,619 ccw(c45.6,619) 45.6,615 46,615 cw(c46,614.5) 46.5,614.5 46.5,485.285 ccw(c51.5,485.285) 51.5,480.285 59,480.285 cw(c59,475.285) 64,475.285 64,465.285 cw(c59,465.285) 59,460.285 51.5,460.285 ccw(c51.5,455.285) 46.5,455.285 46.5,405.5 cw(c46,405.5) 46,405 45.6,405 ccw(c45.6,401) 41.6,401 41.6,399 ccw(c45.6,399) 45.6,395 46,395 cw(c46,394.5) 46.5,394.5 46.5,185.5 cw(c46,185.5) 46,185 45.6,185 ccw(c45.6,181) 41.6,181 41.6,179 ccw(c45.6,179) 45.6,175 46,175 cw(c46,174.5) 46.5,174.5 46.5,146.332 ccw(c54.5,146.332) 53.09,138.457 71.403,135.179 cw(c71.315,134.687) 71.807,134.599 71.737,134.205 ccw(c75.674,133.5) 74.969,129.563 76.938,129.21 ccw(c77.643,133.147) 81.58,132.443 81.651,132.836 cw(c82.143,132.748) 82.231,133.24 189.525,114.032 cw(c189.437,113.54) 189.929,113.451 189.859,113.058 ccw(c193.796,112.353) 193.091,108.415 195.06,108.063 ccw(c195.765,112) 199.702,111.295 199.773,111.689 cw(c200.265,111.601) 200.353,112.093 307.647,92.885 cw(c307.559,92.393) 308.051,92.304 307.981,91.911 ccw(c311.918,91.206) 311.213,87.268 313.182,86.916 ccw(c313.887,90.853) 317.824,90.148 317.895,90.542 cw(c318.387,90.454) 318.475,90.946 425.769,71.738 cw(c425.681,71.245) 426.173,71.157 426.103,70.764 ccw(c430.04,70.059) 429.335,66.121 431.304,65.769 ccw(c432.009,69.706) 435.946,69.001 436.017,69.395 cw(c436.509,69.307) 436.597,69.799 456.09,66.309 ccw(c457.5,74.184) 465.5,74.184 465.5,294.563 460.965,294.563 cw(c460.965,299.527) 456,299.527 456,309.689 cw(c460.874,309.689) 460.874,314.563 465.5,314.563 465.5,725.816 ccw(c457.5,725.816) 456.09,733.691 436.597,730.201 cw(c436.509,730.693) 436.017,730.605 435.946,730.999 ccw(c432.009,730.294) 431.304,734.231 429.335,733.879 ; 429.335,733.879 429.335,733.879